# Altium PCB 2-quilter-output.PcbDoc (part 25 of 26)
Units mil, origin at the board's own origin, x right, y up, seen from the top; angles counter-clockwise.
Board outline 4130.55 x 4250 mil, 8 copper layers (L1, Ground L2, L3, Power L4, Ground L5, L6, Ground L7, L8), stack 62.985 mil thick; 591 components, 494 nets, 2245 pads, 1508 vias.
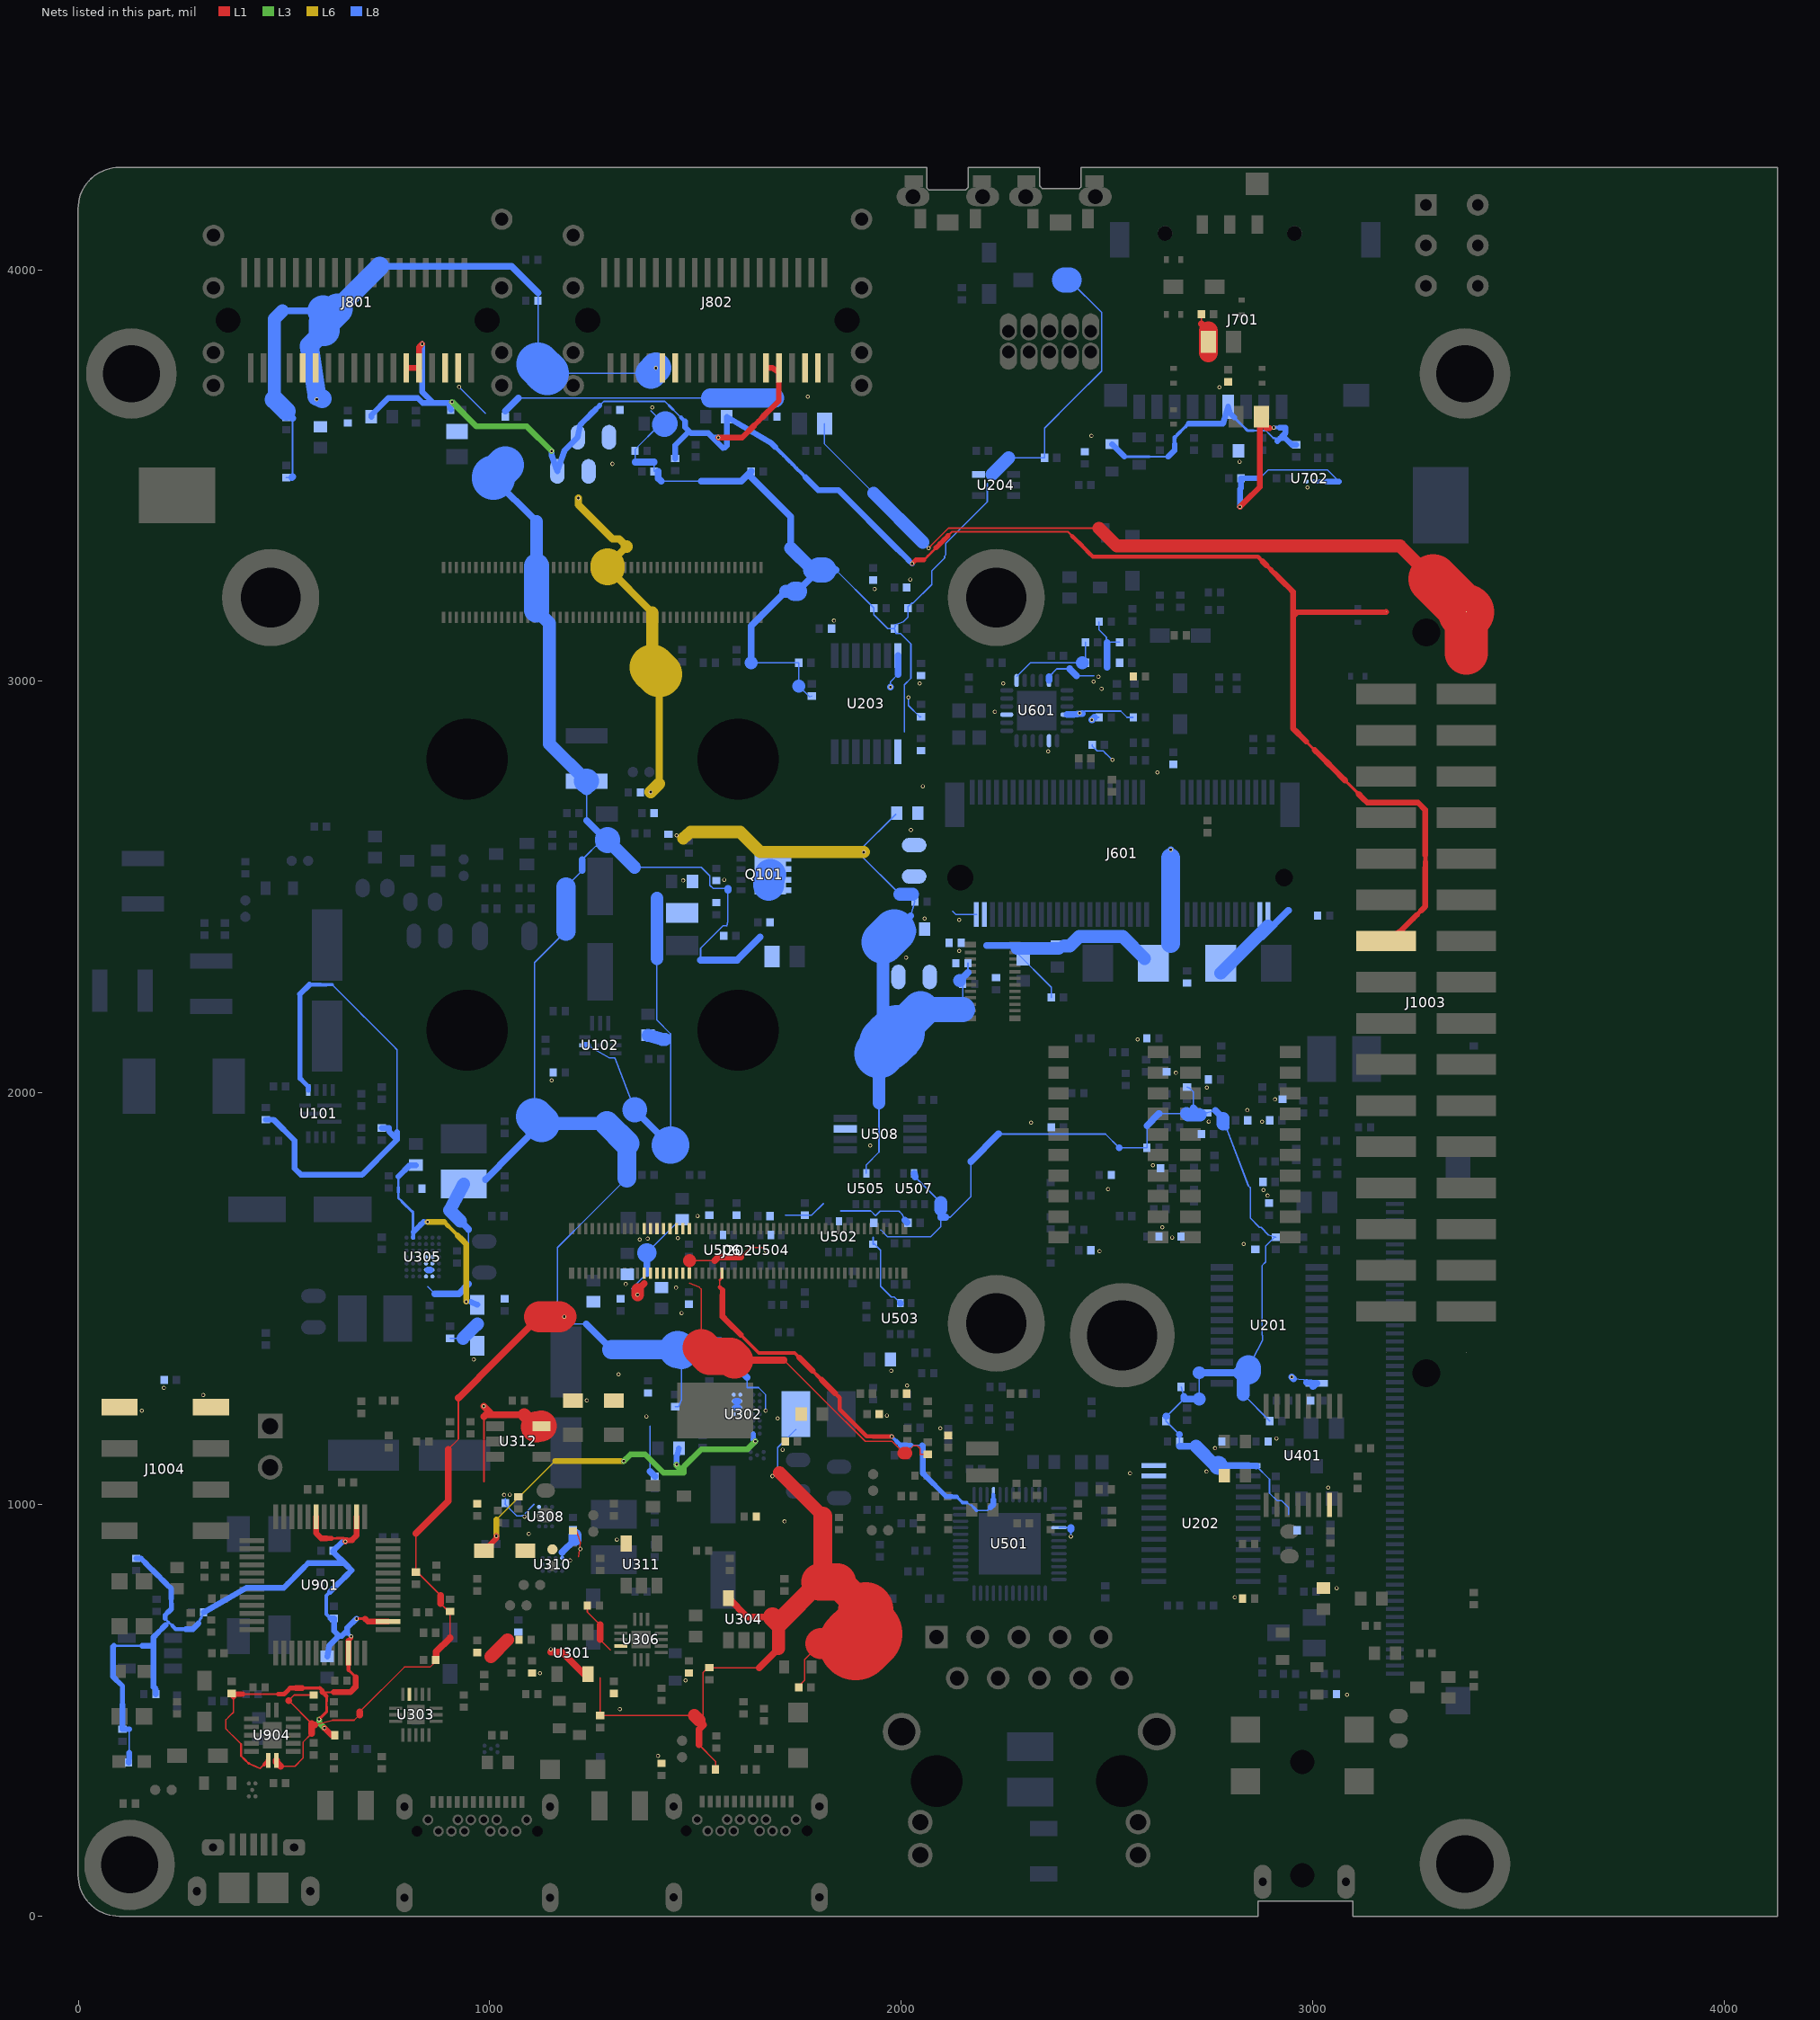
[diagram p31: the nets of this part, all layers, seen from the top]

## Via types
v1: diameter 9.85, hole 5.91, L1 to L8, tented both sides, 1508 vias

## Nets (pads, with @x,y where several pads share a name; then routed paths per layer and width w, separated by ;. In a path a pad name is that pad's centre, name@x,y a point inside that pad or via, vN(x,y) a via of type N, cw(c..) or ccw(c..) an arc to the next point about the centre after c; other vN are vias at no path point) (continued)
VCC_3V3_FT: C906.1 C913.1 C914.1 C915.1 R902.2 R903.2 R915.2 R916.2 R927.2 R928.2 U901.10 U901.14 U901.26 U901.31 U904.14 | length 2927.6
  L1 w3.5: C915.1@377.1,532.62 377.1,519.92 377.1,507.22 377.1,494.52 368.03,485.45 358.96,476.38 358.96,465.24 358.96,454.09 368.12,444.93 377.28,435.77 386.43,426.61 395.59,417.45
  L1 w3.83: 399.1,538.6 413.55,538.6 427.99,538.6 442.43,538.6 456.87,538.6 471.31,538.6 485.76,538.6 ; 415.16,369.79 428.52,363.77 441.76,357.82 451.7,367.77
  L1 w4.85: 395.59,417.45 395.59,403.04 395.59,388.63 405.04,379.18 413.31,370.92 414.03,370.92 ; 594.16,543.16 607.54,543.16 620.92,543.16 ; 661.83,912.7 671.43,912.7 ; 665.93,912.7 671.43,912.7 ; 671.43,919.21 671.43,912.7
  L1 w5.87: 414.03,370.92 415.16,369.79 ; 603.61,508.28 603.61,520.99 ; 615.68,917.37 628.22,917.37 ; 656.85,597.14 665.64,588.35 673.85,580.14
  L1 w6.9: 558.41,553.38 572.88,553.38 587.36,553.38 ; 594.53,486.5 603.61,495.58 603.61,508.28 ; 603.61,520.99 603.61,533.7 ; 628.22,917.37 636.76,917.41 645.3,917.46 654.41,915.8 664.71,913.93 ; v1(676.56,722.16) 686.52,722.16 696.48,722.16
  L1 w7.92: 543.93,553.38 558.41,553.38 ; v1(585.46,477.42) 594.53,486.5 ; v1@663.2,675 v1(663.2,678.88)
  L1 w8.94: 451.7,367.77 U904.14@461.65,377.71
  L1 w9.96: 587.36,553.38 593,547.74 593,544.31 ; 594.16,543.16 603.61,533.7 ; 656.85,597.14 U901.10@656.85,610.88
  L1 w10.99: 485.76,538.6 500.2,538.6 507.59,545.99 514.98,553.38 ; 656.85,668.65 v1@663.2,675
  L1 w12.01: U904.14@461.65,377.72 U904.14@461.78,377.71 ; 603.14,917.37 615.68,917.37
  L1 w13.03: C915.1@378.13,538.6 388.62,538.6 399.1,538.6 ; 514.98,553.38 529.45,553.38 ; 593,544.31 594.16,543.16 ; v1@652.22,912.7 661.83,912.7 ; 664.71,913.93 665.93,912.7 ; 696.48,722.16 696.89,722.16
  L1 w14.05: C915.1@377.1,532.62 372.99,536.74 C915.1@372.87,540.18 C915.1@378.13,538.6 ; 529.45,553.38 543.93,553.38 ; U901.31@578.05,969.33 578.05,929.91 590.59,917.37 603.14,917.37 ; v1(598.37,456.24) 615.87,438.74 R927.2@623.53,438.73 ; 620.92,543.16 634.29,543.16 647.67,543.16 661.05,543.16 673.85,555.96 673.85,580.14 ; v1(649.04,909.52) v1@652.22,912.7 ; U901.10@656.85,610.88 656.85,624.61 656.85,638.35 656.85,668.65 ; 671.43,919.21 676.56,924.33 U901.26@676.56,969.33 ; 696.89,722.16 703.88,715.18 U901.14@753.4,715.19
  L3 w14.05: v1(585.46,477.42) 585.46,469.16 v1(598.37,456.24)
  L8 w3.5: 123.66,396.56 123.66,410.79 123.66,425.02 123.66,439.25 123.66,453.48
  L8 w4.85: 86.68,656.31 100.46,656.31 114.24,656.31 128.02,656.31 141.8,656.31 155.58,656.31
  L8 w5.87: 211.24,722.29 219.64,713.89 ; 211.91,706.16 219.64,713.89 ; 228.19,705.33 219.64,713.89 ; 298.39,723.97 R928.2@304.69,737.56
  L8 w6.9: 292.07,710.37 298.39,723.97
  L8 w8.94: 612.15,787.64 602.8,778.29 602.8,765.05 602.8,751.81 602.8,738.58 602.8,733.17 C913.1@613.15,722.82 ; 653.88,688.2 v1(663.2,678.88)
  L8 w9.96: 228.19,705.33 236.75,696.77 249,696.77 261.25,696.77
  L8 w10.99: 226.14,757.86 226.14,770.06
  L8 w12.01: 91.99,573.51 99.71,565.78 107.44,558.05 107.44,543.11 107.44,528.18 107.44,513.24 ; 193.67,687.92 204.19,698.44 ; 211.24,722.29 211.24,730.76 218.69,738.21 ; 226.14,745.66 226.14,757.86
  L8 w13.03: 152.07,868.52 162.65,857.94 ; 194.39,826.2 204.98,815.62 ; 215.56,805.03 226.14,794.45 226.14,782.26 226.14,770.06 ; 218.69,738.21 226.14,745.66 ; 499.21,797.03 509.16,806.98 ; 548.97,846.79 558.92,856.74
  L8 w14.05: 86.68,656.31 84.26,653.89 84.26,581.24 91.99,573.51 ; 107.44,513.24 107.44,498.3 107.44,483.36 107.44,468.42 107.44,453.48 123.66,453.48 ; R902.2@122.22,372.33 123.66,382.32 123.66,396.55 ; R916.2@140.63,868.53 152.07,868.52 ; 155.58,656.31 169.36,656.31 183.14,656.31 ; 162.65,857.94 173.23,847.36 183.81,836.78 194.39,826.2 ; R903.2@188.57,538.34 188.56,550.51 183.14,555.93 183.14,639.21 183.14,656.3 ; 193.67,687.92 183.15,677.4 183.15,656.31 ; 204.19,698.44 211.91,706.16 ; 204.98,815.62 215.56,805.03 ; 261.25,696.77 273.5,696.77 278.48,696.77 292.07,710.36 ; R928.2@304.69,737.56 408.83,797.02 ; 408.83,797.03 499.21,797.03 ; 509.16,806.98 519.12,816.93 529.07,826.89 539.02,836.84 548.97,846.79 ; 558.92,856.74 647.1,856.74 664.17,839.66 ; C906.1@605.11,630.34 609.76,656.53 633.37,680.14 ; 612.15,787.64 621.5,796.99 630.86,806.35 640.21,815.7 649.56,825.05 664.17,839.66 ; C913.1@613.15,722.82 C913.1@621.7,722.8 621.69,691.82 633.37,680.14 ; v1(649.04,909.52) 642.41,909.52 C914.1@619.87,886.97 619.86,883.97 651.74,852.1 664.17,839.66 ; 653.88,688.2 653.88,693.53 ; v1(676.56,722.16) 653.88,699.48 653.88,693.53 ; 633.37,680.14 640.5,680.14 653.88,693.53
VCC_3V6: C114.1 R107.1 U101.9 | length 1274.7
  L8 w3.5: 617.27,2262.54 627.79,2252.02 638.31,2241.49 648.83,2230.97 659.36,2220.45 669.88,2209.93 680.4,2199.41 690.92,2188.89 701.44,2178.36 711.96,2167.84 722.49,2157.32 733.01,2146.8 743.53,2136.28 754.05,2125.76 764.57,2115.24 775.09,2104.71 775.09,2089.32 775.09,2073.94 775.09,2058.55 775.09,2043.16 775.09,2027.77 775.09,2012.38 775.09,1996.99 775.09,1981.6 775.09,1966.21 775.09,1950.82 775.09,1935.43 775.09,1920.04 775.09,1904.65
  L8 w7.92: 603.4,2262.54 617.27,2262.54
  L8 w8.94: 589.53,2262.54 603.4,2262.54
  L8 w9.96: 561.78,2262.54 575.66,2262.54 589.53,2262.54
  L8 w10.99: 539.19,2034.97 549.16,2025 U101.9@559.13,2015.03
  L8 w12.01: 539.19,2034.97 539.19,2050.74 539.19,2066.51 539.19,2082.27 539.19,2098.04 539.19,2113.81 539.19,2129.57 539.19,2145.34 539.19,2161.11 539.19,2176.87 539.19,2192.64 539.19,2208.41 539.19,2224.17 539.19,2239.94 ; U101.9@559.12,2006.56 U101.9@559.13,2015.03
  L8 w14.05: C114.1@455.82,1934.71 475.02,1934.7 526.08,1883.65 526.08,1816.19 541.38,1800.9 689.95,1800.9 762.98,1873.92 775.09,1886.03 ; 539.19,2239.94 561.78,2262.54 ; R107.1@737.82,1914.43 755.72,1914.43 755.72,1905.4 761.46,1899.66 775.09,1886.03 ; 775.09,1904.65 775.09,1886.03
VDD_1V8: C201.1 C204.1 C205.1 C206.1 C213.1 C214.1 C218.1 C219.1 C221.1 C520.1 C521.1 C522.1 C525.1 C526.1 C527.1 C801.1 C802.1 C805.1 C813.1 C916.1 D907.A J202.22 J202.24 J202.26 J202.28 J202.30 J202.32 J202.34 J202.36 J801.A5 J801.A6 J802.A5 J802.A6 L601.2 L602.1 R201.1 R203.1 R205.1 R207.1 R209.1 R214.1 R536.1 R604.1 R623.1 R624.1 R801.1 R802.1 R803.1 R804.1 R805.1 R806.1 R917.1 R918.1 R920.1 R1101.2 R1103.2 R1105.2 R1107.2 U201.2 U202.1 U203.1 U204.5 U502.5 U503.5 U504.5 U505.5 U506.5 U507.5 U904.1 | length 12785.2
  L1 w3.5: 491.59,363.59 527,363.59 546.11,382.7 546.11,421.91 567.52,443.33 ; 567.54,467.18 511.48,523.25 524.72,536.5 C916.1@571.94,536.5 ; 574.7,463.46 617.75,475.22 670.65,475.22 683.79,488.35 ; 683.79,495.24 792.93,604.39 855.21,604.39 868.7,617.88 R918.1@868.7,621.35 R918.1@870.14,622.78 ; 820.75,929.33 820.75,835.33 824.19,835.33 881,778.52 ; 881,758.64 900.26,739.39 R917.1@903.71,739.4 903.7,675.2 ; 899.02,1133.3 923.93,1158.21 923.93,1258.5 ; J202.36@1485.52,1561.94 1485.53,1591.71 ; 1485.72,1591.91 1546.63,1591.91 ; 1485.74,1537.61 1509.45,1527.39 1513.97,1522.88 1513.97,1380.85 ; 1610.28,1601.29 1632.43,1623.43 1638.28,1624.31 1663.09,1624.31 v1(1670.92,1616.47) ; 1715.43,1350.21 1814.11,1251.52 1912.76,1152.88 1978.19,1152.88 2006.89,1124.17 ; 2011.81,1124.17 2029.48,1141.84 2039.93,1141.84 2045.93,1135.84 2045.93,1121.25 R536.1@2064.91,1121.24
  L1 w16.55: U904.1@481.46,377.71 481.46,373.73 491.59,363.59 ; 567.54,443.34 567.54,453.68 567.54,466.43 ; 567.54,467.18 567.54,466.43 ; 574.7,463.46 570.51,463.46 567.54,466.43 ; 683.79,488.35 683.79,495.24 ; 820.75,929.33 899.02,1007.6 899.02,1133.3 ; R918.1@870.14,622.78 870.14,641.63 903.7,675.2 ; 881,758.64 881,778.52 ; 923.93,1258.5 1022.73,1357.3 1121.53,1456.11 ; 1359.57,1520.97 1375.3,1536.69 ; 1546.63,1591.91 1556.01,1601.29 1610.28,1601.29 ; 1594.91,1350.21 1715.43,1350.21
  L1 w31.31: v1(1359.57,1509.22) 1359.57,1520.96 ; 1485.53,1591.71 1485.72,1591.91 ; 2006.89,1124.17 2011.81,1124.17
  L1 w60.85: 1170.23,1456.11 v1(1181.15,1456.11)
  L1 w75.61: 1121.53,1456.11 1170.23,1456.11
  L1 w90.38: 1513.97,1380.85 1535.28,1359.54 1585.58,1359.54 1594.91,1350.21
  L8 w3.5: R804.1@505.58,3495.26 519.34,3495.26 ; 505.59,3655.87 C802.1@505.58,3640.99 519.3,3641 ; 520.91,3496.82 520.91,3639.4 ; 1117.54,3770.89 R805.1@1117.53,3925.06 1117.54,3943.82 ; 1139.8,3748.62 1254.56,3748.62 1391.57,3748.62 ; 1353.43,3532.75 R806.1@1353.43,3559.83 1353.43,3563.31 C813.1@1414.01,3623.89 ; v1(1359.57,1509.22) 1345.07,1523.73 1344.7,1523.73 1381.8,1560.82 ; 1382.09,1611.19 C214.1@1451.22,1680.32 ; 1392.09,3657.44 C813.1@1420.96,3628.57 ; 1399.55,3532.74 R802.1@1399.53,3510.02 1409.39,3510.04 ; 1416.68,3486.17 1513.89,3486.17 ; R803.1@1635.31,3510.04 R803.1@1635.43,3510.02 1635.43,3496.14 ; 1635.38,3045.16 R205.1@1751.55,3045.18 1751.56,3035.16 1751.56,2988.32 1777.49,2962.37 R214.1@1782.9,2964.01 ; 1718.75,1702.3 C526.1@1766.31,1702.29 1782.45,1702.3 1811.29,1731.15 ; 1841.42,3270.61 R201.1@1934.03,3177.99 1934.04,3167.99 1934.04,3161.91 1967.76,3128.19 1974.8,3128.19 R203.1@1983.79,3128.18 ; 1853.52,1712.88 1926.45,1712.88 1937.75,1701.58 ; U505.5@1915.61,1804.05 1915.61,1825.06 1946.35,1855.8 1946.35,1975.51 ; 1932.2,1648.44 C521.1@1932.2,1632.2 1935.67,1632.2 1950.28,1617.6 1950.28,1529.81 1976.15,1503.94 1983.24,1503.94 U503.5@1998.54,1488.63 ; 1938.15,1701.58 1949.09,1712.52 1994.91,1712.52 2002.1,1705.33 C520.1@2009.4,1690.26 ; 1950.61,1666.83 1967.63,1649.81 2071.3,1649.81 2096.25,1674.77 2096.25,1697.64 ; L601.2@1987.1,2677.05 1899.01,2588.96 1899.01,2580.47 1997.28,2482.2 ; 2007.84,2876.39 2007.84,2991.39 2023.87,3007.42 2023.87,3090.68 1998.12,3116.44 1987.72,3116.44 1986.8,3118.19 R203.1@1983.79,3128.18 ; 2023.38,2430.19 R624.1@2033.56,2464.12 2028.15,2482.2 ; U507.5@2033.98,1795.62 2096.25,1733.35 ; 2108.35,1697.64 2119.18,1697.64 2170.1,1748.57 2170.1,1833.04 ; R623.1@2142.18,2272.41 R623.1@2149.68,2264.9 2149.67,2202.01 ; 2162.62,2292.86 2162.62,2304.72 R604.1@2162.61,2314.71 ; 2209.6,3480.81 2209.6,3436.23 2108.27,3334.89 2108.27,3307.41 2105.79,3303.78 2105.78,3299.77 2074.56,3268.55 2074.56,3235.25 2029.05,3189.74 2025.26,3189.74 2016.97,3181.45 R207.1@2016.97,3177.99 2016.97,3167.99 2016.97,3155.89 2005.53,3144.45 1992.94,3140.1 1986.8,3138.19 R203.1@1983.79,3128.18 ; 2236.89,1899.83 2366.98,1899.83 2497.08,1899.83 2530.45,1866.46 R1105.2@2597.57,1866.47 2597.58,1876.46 2597.58,1920.26 ; 2261.68,3543.23 C221.1@2348.74,3543.22 2348.74,3553.23 2348.74,3615.51 2420.6,3687.37 2487.4,3754.17 2487.4,3896.5 D907.A@2409.04,3974.86 ; 2626.82,1949.5 2693.55,1949.5 ; 2643.68,1213.99 C204.1@2643.68,1202.4 2676.85,1169.23 C205.1@2676.85,1152.6 2676.85,1141.13 ; 2645.77,1213.99 2673.09,1241.3 2687.54,1255.76 ; R209.1@2680.51,1285.41 2687.54,1262.02 ; R1103.2@2695.27,2014.04 2701.75,2011.04 2710.59,2002.2 2710.59,1963.98 ; 2713.93,1960.65 R1101.2@2745.04,1951.32 ; 2724.33,1255.76 2724.33,1319.55 ; 2726.96,1945.9 R1101.2@2745.04,1951.32 ; 2763.5,1956.85 R1101.2@2745.04,1951.32 ; 2790.54,1916.29 2844.2,1773.91 2848.96,1769.14 2848.96,1716.44 ; 2831.54,1267.02 C201.1@2896.16,1202.4 ; 2844.19,1331.69 2878.85,1398.23 2878.85,1410.51 2877.19,1412.17 2877.19,1579.62 2886.41,1588.84 2886.42,1627.8 2907.42,1648.8 R1107.2@2910.92,1648.8 2892.77,1654.24 2875.48,1673.01 2873.37,1673.01 2873.13,1673.25 2871.01,1673.25 2848.96,1695.3 2848.96,1716.42 ; U202.1@2863.39,1093.03 2895.59,1060.82 2895.59,1027.01 2913.92,1008.68 2924.92,1008.68 2941.71,991.89 2941.71,975.04
  L8 w16.55: 496.33,3900.17 595.19,3900.17 ; 519.3,3641 520.91,3639.4 ; 519.34,3495.26 520.91,3496.82 ; 733.01,4008.47 892.95,4008.47 1052.89,4008.47 1117.54,3943.82 ; 1353.45,3532.74 1399.55,3532.74 ; 1381.8,1560.82 1381.8,1610.88 ; 1409.39,3510.04 1409.39,3493.46 1416.68,3486.17 ; 1513.89,3486.17 1611.44,3486.17 R803.1@1635.31,3510.04 ; 1635.38,3045.16 1635.38,3134.39 1719.72,3218.73 ; 1635.43,3496.14 1731.89,3399.68 1731.89,3323.74 ; 1748.47,3218.73 1800.35,3270.61 ; 1830.42,3270.61 1841.42,3270.61 ; L602.1@2006.14,2412.94 2023.38,2430.18 ; C520.1@2009.4,1690.26 C520.1@2014.57,1685.1 ; U507.5@2031.73,1804.05 U507.5@2033.98,1795.62 ; 2096.25,1716.55 2096.25,1697.64 2108.35,1697.64 ; R623.1@2142.18,2272.42 2162.62,2292.86 ; 2170.1,1833.04 2236.89,1899.83 ; 2597.58,1920.26 2626.82,1949.5 ; 2643.68,1213.99 2645.77,1213.99 ; 2676.85,1141.13 2716.71,1141.13 ; 2687.54,1262.02 2687.54,1255.76 2698.65,1255.76 2724.33,1255.76 ; 2710.59,1963.98 2713.93,1960.65 ; 2724.45,1319.67 U201.2@2779.79,1319.67 2821.23,1319.67 ; 2763.5,1956.85 2782.42,1937.93 ; 2771.48,1094.31 U202.1@2844.15,1094.32 U202.1@2863.39,1093.03 ; 2782.42,1924.41 2790.54,1916.29
  L8 w31.31: 476.67,3684.79 476.67,3782.65 476.67,3880.5 496.33,3900.17 ; C813.1@1414.01,3623.89 C813.1@1424.61,3623.89 ; 1719.72,3218.73 1741.28,3218.73 ; 1731.89,3323.74 1785.02,3270.61 ; 1812.53,3270.61 1830.42,3270.61 ; 1946.35,1975.51 1946.35,2095.21 ; 1956.02,2153.35 1956.02,2259.68 1956.02,2366 ; 1997.28,2482.2 2028.15,2482.2 ; 2096.25,1716.55 2096.25,1733.35 ; 2220.87,3502.43 2261.68,3543.23 ; 2693.56,1949.51 2697.17,1945.9 2726.96,1945.9 ; 2716.71,1141.13 2763.52,1094.32 2771.48,1094.32 ; 2724.33,1319.55 2724.45,1319.67 ; 2782.42,1924.42 2782.42,1937.93 ; 2821.23,1319.67 2831.54,1309.35 ; 2831.54,1267.02 2831.54,1294.81 2831.54,1309.35 ; 2844.18,1321.98 2831.54,1309.35
  L8 w46.08: 476.67,3684.79 505.59,3655.87 ; 592.79,3686.45 580.44,3692.81 561.26,3815.61 597.93,3852.28 ; 629.53,3905 733.01,4008.47 ; 1381.8,1610.88 1382.09,1611.18 ; C813.1@1420.96,3628.57 C813.1@1426.95,3626.22 ; 1741.28,3218.73 1748.47,3218.73 ; 1785.02,3270.61 1812.53,3270.61 ; L602.1@2006.14,2393.19 L602.1@2006.14,2397.72 L602.1@2006.14,2412.94
  L8 w60.85: C813.1@1424.61,3623.89 C813.1@1426.93,3626.22 ; 1800.36,3270.61 1812.53,3270.61 ; 1983.21,2393.19 L602.1@2006.14,2393.19 ; 2047.2,2202.01 2149.67,2202.01 ; D907.A@2396.91,3974.86 D907.A@2409.04,3974.86 ; 2844.19,1321.99 2844.19,1331.69
  L8 w75.61: 595.19,3900.17 601,3894.36 618.9,3894.36 ; 597.93,3852.28 597.93,3873.39 618.9,3894.36 ; 629.53,3905 618.9,3894.36 ; 1391.57,3748.62 v1(1404.17,3761.22) ; 1956.02,2153.35 1977.28,2132.1
  L8 w90.38: 1990.93,2145.74 2047.2,2202.01
  L8 w105.14: 1117.54,3770.89 1139.8,3748.62 ; 1956.02,2366 1983.21,2393.19
  L8 w119.91: 1946.35,2095.21 1965.74,2120.55
  L8 w134.67: 1965.74,2120.55 1977.28,2132.1 1990.93,2145.74
  other v1: 1395.01,3665.33 579.7,3684.97
VDD_1V8_U601_2: C605.1 C606.1 C607.1 C608.1 C609.1 C611.1 L601.1 L602.2 U601.3 U601.11 U601.16 U601.20 | length 474.5
  L8 w3.5: U601.11@2359.7,3011.47 2378.5,3030.26 2410.03,3030.26 ; 2426.52,3013.77 2453.55,3013.77 2468.95,3013.77 ; 2440.14,2921.36 2446.46,2927.68 2534.08,2927.68 2549.39,2912.36 C606.1@2564.39,2912.36 ; 2470.06,2912.36 C611.1@2481.45,2912.36 ; C608.1@2481.45,3144.79 2481.44,3124.91 2499.11,3107.24 2499.11,3106.06 2499.11,3095 ; 2500.43,3093.68 2499.11,3095 ; C609.1@2531.21,3094.98 2499.12,3095
  L8 w16.55: U601.11@2359.71,3002.09 U601.11@2359.7,3011.47 ; U601.16@2403.41,2919.02 2419.45,2919.02 2428.51,2920.09 2440.13,2921.35 ; 2410.03,3030.26 2426.52,3013.77 ; v1(2463.37,2906.38) 2464.08,2906.38 2470.06,2912.36 ; 2500.43,3034.06 2500.43,3093.68
  other v1: 2057.45,2423.54 2023.9,2638.6 2052.75,2745.14 2357.75,2830.16 2433.83,2922.63 2228.08,2925.83 2487.17,2982 2467.67,2998.89 2479.48,3010.88
VDD_3V3: C202.1 C203.1 C207.1 C208.1 C211.1 C212.1 C217.1 C220.1 C403.1 C506.1 C507.1 C524.1 C706.1 C707.1 C708.1 C1003.1 D310.A J202.21 J202.23 J202.25 J202.27 J202.29 J202.31 J202.33 J202.35 J1004.1 J1004.2 L401.2 L501.1 R113.1 R134.1 R202.1 R204.1 R206.1 R208.1 R344.1 R345.1 R349.1 R350.1 R406.2 R506.1 R527.1 R528.1 R601.1 R603.1 R713.1 R714.1 R812.1 R1004.2 R1109.2 R1111.2 R1113.2 R1115.2 R1117.2 R1119.2 R1121.2 R1123.2 R1125.2 R1127.2 R1129.2 R1131.2 R1133.2 R1135.2 R1137.2 R1138.2 U201.24 U202.23 U202.24 U203.14 U401.15 U501.4 U508.7 U702.A1 | length 372.8
  L1 w3.5: 2730.28,3868.63 R714.1@2730.28,3891.86
  L1 w16.55: 2730.28,3868.63 2747.17,3851.74
  L1 w46.08: C706.1@2747.17,3798.74 C706.1@2747.17,3825.23 C706.1@2747.17,3851.73
  L8 w3.5: v1@1974.59,2986.31 1974.59,2999.15 1992.42,3016.98 ; v1(2018.08,2961.08) 2018.08,2946.25 2018.08,2940.97 2045.65,2913.4 R208.1@2048.32,2914.21 ; U501.4@2383.64,943.08 2412.75,943.07 ; v1(2412.76,921.89) 2412.76,939.06 ; 2954.26,1304.81 2979.4,1302.94 U201.24@2985.85,1296.49
  L8 w16.55: v1(1974.33,2986.06) v1@1974.59,2986.31 ; 1992.42,3016.98 U203.14@1992.41,3062.02 ; 2412.75,939.07 2412.75,943.07 ; v1(2949.9,1309.17) 2954.26,1304.81 ; U201.24@2985.85,1296.49 U201.24@3010.29,1294.08 3001.3,1286.06
  other v1: 1409.08,388.44 1316.08,501.86 3084.04,536.91 1476.26,571.69 1122.21,589.74 2811.34,774.11 3058.62,796.43 1716.87,958.29 3038.38,1040.29 2556.85,1075.25 2742.63,1079.59 1711.9,1132.88 2763.19,1136.24 2912.2,1160.12 2095.17,1184.7 1700.09,1208.88 1965.41,1215.78 154.25,1227.32 303.48,1265.5 208.22,1283.22 2014.46,1288.36 1313.11,1315.68 1976.01,1324.54 1466.63,1464.79 1453.22,1526.18 1330.98,1535.08 2482.62,1614.95 2832.59,1632.81 1364.88,1643.53 1383.95,1645.84 1457.27,1646.56 2658.85,1648.33 2635,1672.88 1505.06,1700.8 2891.15,1750.29 2880.61,1763.97 2503.42,1765.89 2612.29,1823.9 1925.23,1872.08 2315.79,1927.62 2748.04,1930.27 2877.75,1929.76 2841.24,1957.83 2908.73,1984.01 2743.11,2012.99 1150.81,2029.93 2668.28,2048.36 2575.26,2129.66 2011.98,2328.44 2141.45,2345.03 1570.26,2517.76 2044.98,2995.1 1837.02,3147.32 1935.56,3223.92 2022.04,3247.6 2987.78,3471.03 1298.41,3528.4 2822.97,3533.81 2462.87,3596.56 2773.85,3714.66
VDD_3V3_U601: C603.1 C604.1 R603.2 R604.2 U601.7 | length 230.9
  L8 w3.5: U601.7@2280.97,3011.91 2313.77,3044.71 C603.1@2440.32,3044.71 ; C603.1@2440.77,3045.16 C603.1@2448.27,3045.18 2448.27,3055.16 2448.27,3085 C604.1@2448.27,3094.98
  L8 w31.31: C603.1@2440.32,3044.71 C603.1@2440.77,3045.16
  other v1: 2141.57,2420.02 2248.45,2995.03
VDD_5V: C141.1 C142.1 C157.1 C159.1 C311.1 C313.1 C320.2 C327.1 C329.1 C336.2 C342.1 C343.1 C804.1 C807.1 C812.1 C815.1 J801.A16 J801.A17 J802.A16 J802.A17 J1003.2 J1003.4 Q101.5 R120.2 R304.1 R307.1 R318.1 R320.1 U301.5 U302.D2 U302.D3 U302.E2 U302.E3 U302.F2 U302.F3 U302.G2 U302.G3 U303.12 U304.5 U305.D2 U305.D3 U305.E2 U305.E3 U305.F2 U305.F3 U305.G2 U305.G3 U306.12 | length 9694.5
  L1 w3.5: R307.1@1237.31,754.16 1237.3,738.23 1268.67,706.86 ; 1268.66,578.48 C336.2@1268.65,486.69 1383.08,486.69 1497.49,486.69 ; 1268.67,670.96 1281.84,657.78 1293.29,646.34 ; 1508.63,415.49 1548.84,375.29 R318.1@1548.83,355.72 ; 1518.74,465.44 1518.74,591.06 1530.57,602.89 C343.1@1534.07,602.91 1655.38,602.89 ; R320.1@1751.56,554.96 1751.56,558.44 1765.55,572.44 1765.55,622.71 1804.47,661.63 ; v1(2066.88,3323.74) 2078.57,3335.43 2115.25,3372.11 2237.19,3372.11 2359.14,3372.11 2481.08,3372.11
  L1 w16.55: 1148.33,641.13 1155.54,640.35 1175.8,640.35 U301.5@1232.19,583.96 ; 1268.67,670.96 1268.67,706.86 ; 1508.63,415.49 1508.63,452.56 1520.13,464.06 ; 1508.81,475.38 1520.13,464.06 ; 1518.74,465.44 1520.13,464.06 ; U304.5@1580.51,771.77 1626.25,726.04 1687.21,726.04 ; 1655.38,602.89 1702.14,649.65
  L1 w31.31: 1002.83,630 1043.69,670.87 ; 1497.49,486.69 1508.81,475.38 ; 1702.14,649.65 1702.14,711.1 ; 1704.42,1077.04 1809.87,971.58 ; 2481.08,3372.11 2524.5,3328.69 2696.65,3328.69 2868.8,3328.69 3040.95,3328.69 3213.1,3328.69 3293.05,3248.73
  L1 w46.08: 1687.21,726.04 1702.15,711.1 1802.35,811.31 ; 1809.87,811.31 1809.87,971.58
  L1 w75.61: 1804.47,661.63 1889.99,661.63 ; 1845.51,811.31 1913.82,743
  L1 w90.38: 1802.35,811.31 1809.87,811.31 1825.68,811.31 1845.51,811.31
  L1 w105.14: J1003.4@3374.07,3068.79 3374.06,3093.78 3374.06,3143.78 J1003.2@3374.07,3168.79
  L1 w119.91: 3293.05,3248.73 3373.01,3168.78
  L1 w134.67: 1913.82,685.46 1913.82,743 ; 3373.01,3168.78 J1003.2@3374.07,3168.79
  L1 w178.97: 1889.99,661.63 1913.82,685.46
  L8 w3.5: 849.64,1529.04 867.13,1511.55 ; v1(925.38,3715.4) 989.44,3651.34 ; 948.77,1535.19 948.77,1668.19 ; 1069.87,3688.38 1225.54,3688.38 1381.21,3688.38 1536.88,3688.38 ; 1108.96,1942.34 1108.96,2067 1108.96,2191.65 1108.96,2316.31 1185.45,2392.8 ; 1185.45,2500.44 1224.94,2539.93 ; 1224.94,2566.63 C142.1@1272.23,2613.92 ; 1234.88,1437.83 1178.99,1437.83 1164.89,1451.93 1164.89,1530.92 1164.89,1624.01 1249.22,1708.34 1333.55,1792.67 ; 1235.49,2661.46 1235.49,2739.13 ; 1351.93,2547.92 1514.58,2547.92 1535.35,2527.14 1535.35,2504.57 1543.02,2496.9 1579.26,2496.9 ; C313.1@1451.14,1237.46 1459.49,1237.46 1465.89,1253.74 1466.12,1256.09 1466.45,1256.43 1466.45,1366.48 ; 1512.72,2322.48 1512.72,2351.65 1567.08,2406.02 1576.89,2405.46 1579.02,2416.56 1579.02,2491.86 ; 1625.4,1308.1 1625.4,1283.64 1653.64,1283.64 1670.91,1266.37 v1(1670.91,1227.61) ; 1700.2,1081.39 1700.2,1137.6 C311.1@1744.48,1181.88 ; C815.1@1813.94,3626.02 1813.94,3576.68 1933.38,3457.24 ; 2052.83,3337.79 v1(2066.88,3323.74)

## Text inside footprints (layer, text, board x,y; h text height)
U501: Board Layer Stack Bottom Overlay "48" at 2173.18,1043.71 h20; Board Layer Stack Bottom Overlay "37" at 2408.18,1038.71 h20; Board Layer Stack Bottom Overlay "36" at 2440.56,1010.97 h20; Board Layer Stack Bottom Overlay "25" at 2448.18,788.71 h20; Board Layer Stack Bottom Overlay "24" at 2404.14,738.71 h20; Board Layer Stack Bottom Overlay "13" at 2170.04,743.71 h20; Board Layer Stack Bottom Overlay "12" at 2135.04,783.71 h20; Board Layer Stack Bottom Overlay "1" at 2130.84,1010.56 h20; Top Assembly "1" at 2155.35,996.27 h25 r90; Top Assembly "48" at 2198.7,1011.98 h25; Top Assembly "37" at 2373.84,1011.42 h25; Top Assembly "25" at 2394.05,841.63 h25 r90; Top Assembly "36" at 2396.34,1012.31 h25 r90; Top Assembly "13" at 2198.04,768.71 h25; Top Assembly "24" at 2375.03,773.91 h25; Top Assembly "12" at 2154.05,837.7 h25 r90; Top Pin Number "41" at 2292.67,1028.94 h10 r90; Top Pin Number "6" at 2147.55,906.58 h10; Top Pin Number "7" at 2147.79,890.84 h10; Top Pin Number "9" at 2147.55,859.34 h10; Top Pin Number "3" at 2147.79,953.83 h10; Top Pin Number "14" at 2198.18,791.36 h10 r90; Top Pin Number "16" at 2229.68,790.88 h10 r90; Top Pin Number "47" at 2198.18,1031.08 h10 r90; Top Pin Number "2" at 2147.79,969.58 h10; Top Pin Number "23" at 2339.92,791.91 h10 r90; Top Pin Number "40" at 2308.42,1031.08 h10 r90; Top Pin Number "5" at 2147.79,922.33 h10; Top Pin Number "35" at 2391.42,969.58 h10; Top Pin Number "37" at 2355.66,1031.08 h10 r90; Top Pin Number "38" at 2339.92,1031.08 h10 r90; Top Pin Number "39" at 2324.17,1030.84 h10 r90; Top Pin Number "34" at 2391.66,953.83 h10; Top Pin Number "44" at 2245.43,1031.32 h10 r90; Top Pin Number "8" at 2147.79,875.09 h10; Top Pin Number "13" at 2182.44,791.12 h10 r90; Top Pin Number "19" at 2276.92,790.88 h10 r90; Top Pin Number "25" at 2391.42,812.1 h10; Top Pin Number "17" at 2245.43,791.12 h10 r90; Top Pin Number "11" at 2149.31,827.84 h10; Top Pin Number "18" at 2261.18,791.12 h10 r90; Top Pin Number "12" at 2151.46,812.1 h10; Top Pin Number "22" at 2324.17,791.91 h10 r90; Top Pin Number "15" at 2213.93,791.12 h10 r90; Top Pin Number "20" at 2292.67,791.91 h10 r90; Top Pin Number "21" at 2308.42,789.76 h10 r90; Top Pin Number "24" at 2355.66,792.14 h10 r90; Top Pin Number "26" at 2391.18,827.84 h10; Top Pin Number "10" at 2151.46,843.59 h10; Top Pin Number "4" at 2148.03,938.08 h10; Top Pin Number "43" at 2261.18,1031.08 h10 r90; Top Pin Number "42" at 2276.92,1031.08 h10 r90; Top Pin Number "46" at 2213.93,1030.84 h10 r90; Top Pin Number "45" at 2229.68,1031.08 h10 r90; Top Pin Number "33" at 2391.42,938.08 h10; Top Pin Number "32" at 2391.42,922.33 h10; Top Pin Number "31" at 2389.28,906.58 h10; Top Pin Number "30" at 2391.42,890.84 h10; Top Pin Number "28" at 2391.42,859.34 h10; Top Pin Number "27" at 2391.42,843.59 h10; Top Pin Number "29" at 2391.18,875.09 h10; Top Pin Number "49" at 2271.59,898.71 h10; Top Pin Number "36" at 2391.18,985.32 h10; Top Pin Number "1" at 2145.65,985.32 h10; Top Pin Number "48" at 2182.44,1031.08 h10 r90
U502: Board Layer Stack Bottom Overlay "1" at 1839.25,1600.81 h31 r90; Top Assembly "1" at 1834.25,1599.58 h25 r90; Top Pin Number "4" at 1882.6,1692.8 h15 r90; Top Pin Number "6" at 1831.4,1690.9 h15 r90; Top Pin Number "3" at 1882.6,1617.03 h15 r90; Top Pin Number "1" at 1831.4,1608.46 h15 r90; Top Pin Number "5" at 1857,1691.85 h15 r90; Top Pin Number "2" at 1857,1617.03 h15 r90
U503: Board Layer Stack Bottom Overlay "1" at 1988.55,1401.59 h31 r90; Top Assembly "1" at 1983.55,1400.36 h25 r90; Top Pin Number "2" at 2006.3,1417.81 h15 r90; Top Pin Number "5" at 2006.3,1492.63 h15 r90; Top Pin Number "1" at 1980.7,1409.24 h15 r90; Top Pin Number "3" at 2031.9,1417.81 h15 r90; Top Pin Number "6" at 1980.7,1491.68 h15 r90; Top Pin Number "4" at 2031.9,1493.58 h15 r90
U504: Board Layer Stack Bottom Overlay "1" at 1673.37,1567.61 h31 r90; Top Assembly "1" at 1668.37,1566.38 h25 r90; Top Pin Number "2" at 1691.12,1583.83 h15 r90; Top Pin Number "5" at 1691.12,1658.64 h15 r90; Top Pin Number "1" at 1665.52,1575.26 h15 r90; Top Pin Number "3" at 1716.72,1583.83 h15 r90; Top Pin Number "6" at 1665.52,1657.69 h15 r90; Top Pin Number "4" at 1716.72,1659.6 h15 r90
U505: Board Layer Stack Bottom Overlay "1" at 1905.61,1717.02 h31 r90; Top Assembly "1" at 1900.61,1715.79 h25 r90; Top Pin Number "4" at 1948.96,1809.01 h15 r90; Top Pin Number "6" at 1897.76,1807.11 h15 r90; Top Pin Number "3" at 1948.96,1733.24 h15 r90; Top Pin Number "1" at 1897.76,1724.67 h15 r90; Top Pin Number "5" at 1923.36,1808.06 h15 r90; Top Pin Number "2" at 1923.36,1733.24 h15 r90
U506: Board Layer Stack Bottom Overlay "1" at 1557.25,1567.61 h31 r90; Top Assembly "1" at 1552.25,1566.38 h25 r90; Top Pin Number "2" at 1575,1583.83 h15 r90; Top Pin Number "5" at 1575,1658.64 h15 r90; Top Pin Number "1" at 1549.4,1575.26 h15 r90; Top Pin Number "3" at 1600.6,1583.83 h15 r90; Top Pin Number "6" at 1549.4,1657.69 h15 r90; Top Pin Number "4" at 1600.6,1659.6 h15 r90
U507: Board Layer Stack Bottom Overlay "1" at 2021.73,1717.02 h31 r90; Top Assembly "1" at 2016.73,1715.79 h25 r90; Top Pin Number "4" at 2065.08,1809.01 h15 r90; Top Pin Number "6" at 2013.88,1807.11 h15 r90; Top Pin Number "3" at 2065.08,1733.24 h15 r90; Top Pin Number "1" at 2013.88,1724.67 h15 r90; Top Pin Number "5" at 2039.48,1808.06 h15 r90; Top Pin Number "2" at 2039.48,1733.24 h15 r90
U508: Board Layer Stack Bottom Overlay "1" at 2066.02,1864.67 h20 r180; Top Pin Number "6" at 1862.84,1916.21 h10 r180; Top Pin Number "1" at 2038.81,1865.02 h10 r180; Top Pin Number "8" at 1862.01,1865.02 h10 r180; Top Pin Number "3" at 2031.31,1916.21 h10 r180; Top Pin Number "7" at 1862.01,1890.61 h10 r180; Top Pin Number "5" at 1862.01,1941.8 h10 r180; Top Pin Number "4" at 2030.48,1941.8 h10 r180; Top Pin Number "2" at 2031.31,1890.61 h10 r180
U601: Top Assembly "1" at 2401.62,2887.14 h15 r180; Top Assembly "6" at 2398.77,2985.56 h15 r180; Top Assembly "7" at 2371.89,2997.09 h15 r270; Top Assembly "12" at 2273.47,2991.59 h15 r270; Top Assembly "13" at 2246.45,2985.56 h15 r180; Top Assembly "18" at 2246.45,2887.14 h15 r180; Top Assembly "19" at 2273.47,2845.49 h15 r270; Top Assembly "24" at 2371.89,2843.59 h15 r270; Top Pin Number "24" at 2374.39,2847.61 h10 r270; Top Pin Number "21" at 2315.34,2849.99 h10 r270; Top Pin Number "6" at 2400.31,2983.06 h10 r180; Top Pin Number "15" at 2249.95,2943.69 h10 r180; Top Pin Number "25" at 2322.39,2933.85 h10 r180; Top Pin Number "10" at 2315.34,2995.09 h10 r270; Top Pin Number "4" at 2399.84,2943.69 h10 r180; Top Pin Number "13" at 2249.95,2983.06 h10 r180; Top Pin Number "14" at 2249.71,2963.38 h10 r180; Top Pin Number "17" at 2249.95,2904.33 h10 r180; Top Pin Number "23" at 2354.71,2847.84 h10 r270; Top Pin Number "1" at 2402.22,2884.65 h10 r180; Top Pin Number "18" at 2249.95,2884.65 h10 r180; Top Pin Number "12" at 2275.97,2995.09 h10 r270; Top Pin Number "2" at 2400.08,2904.33 h10 r180; Top Pin Number "19" at 2275.97,2848.87 h10 r270; Top Pin Number "11" at 2295.65,2997.23 h10 r270; Top Pin Number "20" at 2295.65,2847.84 h10 r270; Top Pin Number "16" at 2250.19,2924.02 h10 r180; Top Pin Number "3" at 2400.08,2924.02 h10 r180; Top Pin Number "22" at 2335.02,2847.84 h10 r270; Top Pin Number "8" at 2354.71,2998.75 h10 r270; Top Pin Number "9" at 2335.02,2998.99 h10 r270; Top Pin Number "5" at 2400.08,2963.38 h10 r180; Top Pin Number "7" at 2374.39,2998.75 h10 r270
U701: Top Assembly "3" at 2712.47,4054.8 h25; Top Assembly "1" at 2873.88,4054.8 h25; Top Pin Number "4" at 2856.06,4198.3 h25; Top Pin Number "3" at 2722.99,4099.25 h25; Top Pin Number "2" at 2789.92,4099.25 h25; Top Pin Number "1" at 2856.85,4099.25 h25
U702: Board Layer Stack Bottom Overlay "A1" at 3017.37,3478.42 h15 r180; Top Assembly "A1" at 3004.86,3482.03 h10 r180; Top Pin Number "B2" at 2982.1,3503.79 h5 r180; Top Pin Number "A1" at 2998.65,3488.05 h5 r180; Top Pin Number "B1" at 2998.91,3503.79 h5 r180; Top Pin Number "A2" at 2981.84,3488.05 h5 r180
U901: Top Overlay "1" at 465.83,614.84 h31 r90; Top Overlay "12" at 738.82,604.53 h31 r90; Top Overlay "13" at 777.9,638.84 h31 r90; Top Overlay "24" at 775.98,924.62 h31 r90; Top Overlay "25" at 737.35,961.78 h31 r90; Top Overlay "36" at 464.72,962.51 h31 r90; Top Overlay "37" at 427.93,923.88 h31 r90; Top Overlay "48" at 427.93,634.7 h31 r90; Top Assembly "1" at 462.9,623.84 h25 r90; Top Assembly "48" at 422.9,643.84 h25 r90; Top Assembly "37" at 424.38,925.88 h25 r90; Top Assembly "36" at 461.26,956.77 h25 r90; Top Assembly "25" at 732.9,958.84 h25 r90; Top Assembly "24" at 764.25,925.38 h25 r90; Top Assembly "13" at 762.9,648.84 h25 r90; Top Pin Number "39" at 433.48,877.79 h15 r180; Top Pin Number "23" at 764.48,897.49 h15 r180; Top Pin Number "7" at 602.59,638.34 h15 r90; Top Pin Number "8" at 622.29,638.34 h15 r90; Top Pin Number "24" at 764.48,917.19 h15 r180; Top Pin Number "46" at 433.48,739.89 h15 r180; Top Pin Number "40" at 433.48,858.09 h15 r180; Top Pin Number "2" at 504.09,638.34 h15 r90; Top Pin Number "10" at 661.53,638.34 h15 r90; Top Pin Number "14" at 764.48,720.19 h15 r180; Top Pin Number "31" at 582.73,969.34 h15 r90; Top Pin Number "26" at 681.23,969.34 h15 r90; Top Pin Number "44" at 433.48,779.29 h15 r180; Top Pin Number "4" at 543.49,638.34 h15 r90; Top Pin Number "5" at 563.19,638.34 h15 r90; Top Pin Number "43" at 433.48,798.99 h15 r180; Top Pin Number "6" at 582.89,638.34 h15 r90; Top Pin Number "41" at 433.48,838.39 h15 r180; Top Pin Number "20" at 764.48,838.39 h15 r180; Top Pin Number "21" at 764.48,858.09 h15 r180; Top Pin Number "22" at 764.48,877.79 h15 r180; Top Pin Number "15" at 764.48,739.89 h15 r180; Top Pin Number "13" at 764.48,700.49 h15 r180; Top Pin Number "29" at 622.13,969.34 h15 r90; Top Pin Number "27" at 661.53,969.34 h15 r90; Top Pin Number "28" at 641.83,969.34 h15 r90; Top Pin Number "11" at 681.23,638.34 h15 r90; Top Pin Number "12" at 700.93,638.34 h15 r90; Top Pin Number "3" at 523.79,638.34 h15 r90; Top Pin Number "42" at 433.48,818.69 h15 r180; Top Pin Number "25" at 700.93,969.34 h15 r90; Top Pin Number "34" at 523.63,969.34 h15 r90; Top Pin Number "18" at 764.48,798.99 h15 r180; Top Pin Number "9" at 641.99,638.34 h15 r90; Top Pin Number "47" at 433.48,720.19 h15 r180; Top Pin Number "45" at 433.48,759.59 h15 r180; Top Pin Number "1" at 484.39,638.34 h15 r90; Top Pin Number "48" at 433.48,700.49 h15 r180; Top Pin Number "32" at 563.03,969.34 h15 r90; Top Pin Number "33" at 543.33,969.34 h15 r90; Top Pin Number "35" at 503.93,969.34 h15 r90; Top Pin Number "36" at 484.23,969.34 h15 r90; Top Pin Number "37" at 433.48,917.19 h15 r180; Top Pin Number "38" at 433.48,897.49 h15 r180; Top Pin Number "30" at 602.43,969.34 h15 r90; Top Pin Number "16" at 764.48,759.59 h15 r180; Top Pin Number "17" at 764.48,779.29 h15 r180; Top Pin Number "19" at 764.48,818.69 h15 r180
U902: Top Overlay "1" at 426.14,268.7 h15 r270; Top Overlay "C" at 451.14,330.27 h15 r270; Top Overlay "A" at 452.14,295.63 h15 r270; Top Assembly "C" at 457.96,327.04 h10 r180; Top Assembly "A" at 457.69,293.65 h10 r180; Top Assembly "1" at 434.83,270.92 h10 r180; Top Pin Number "A1" at 433.59,292.67 h5 r180; Top Pin Number "A2" at 418.92,292.67 h5 r180; Top Pin Number "C2" at 418.92,324.17 h5 r180; Top Pin Number "C1" at 433.59,324.17 h5 r180; Top Pin Number "B1" at 425.46,308.42 h5 r180
U903: Board Layer Stack Bottom Overlay "1" at 265.59,584.01 h15
U904: Top Overlay "1" at 561.62,368.73 h20 r90; Top Assembly "1" at 534.83,393.64 h25 r90; Top Pin Number "6" at 527.8,475.01 h10 r90; Top Pin Number "9" at 425.44,475.01 h10 r90; Top Pin Number "15" at 476.62,431.73 h10 r90; Top Pin Number "7" at 486.46,496.42 h10 r90; Top Pin Number "1" at 486.46,376.52 h10 r90; Top Pin Number "4" at 527.8,435.16 h10 r90; Top Pin Number "3" at 527.8,415.71 h10 r90; Top Pin Number "2" at 527.8,396.03 h10 r90; Top Pin Number "5" at 527.8,455.09 h10 r90; Top Pin Number "14" at 466.78,370.47 h10 r90; Top Pin Number "8" at 466.78,496.42 h10 r90; Top Pin Number "11" at 425.44,433.88 h10 r90; Top Pin Number "13" at 425.44,392.36 h10 r90; Top Pin Number "12" at 425.44,412.04 h10 r90; Top Pin Number "10" at 425.44,451.42 h10 r90
X901: Board Layer Stack Bottom Overlay "1" at 299.23,953.44 h31 r270; Top Pin Number "3" at 487.77,659.4 h25 r270; Top Pin Number "1" at 391,914.55 h25 r270; Top Pin Number "2" at 484.85,904.35 h25 r270; Top Pin Number "4" at 389.82,657.11 h25 r270
Y501: Board Layer Stack Bottom Overlay "1" at 2413.43,1139.2 h31 r270; Top Pin Number "2" at 2427.43,1028.6 h25 r270; Top Pin Number "4" at 2477.43,1092.4 h25 r270; Top Pin Number "1" at 2427.43,1104.31 h25 r270; Top Pin Number "3" at 2477.43,1028.6 h25 r270
Y601: Board Layer Stack Bottom Overlay "1" at 2114.84,2965.37 h31 r270; Top Pin Number "2" at 2128.84,2854.77 h25 r270; Top Pin Number "4" at 2178.84,2918.57 h25 r270; Top Pin Number "1" at 2128.84,2930.48 h25 r270; Top Pin Number "3" at 2178.84,2854.77 h25 r270